# Altium PCB Proyecto_0 - V2.PcbDoc (part 1 of 6)
Units mil, origin at the board's own origin, x right, y up, seen from the top; angles counter-clockwise.
Board outline 2559.06 x 1771.65 mil, 10 copper layers (TOP, GND[1], VDD[1], Signal[1], GND[2], VDD[2], Signal[2], GND[3], VDD[3], BOT), stack 79.883 mil thick; 188 components, 257 nets, 1108 pads, 915 vias.
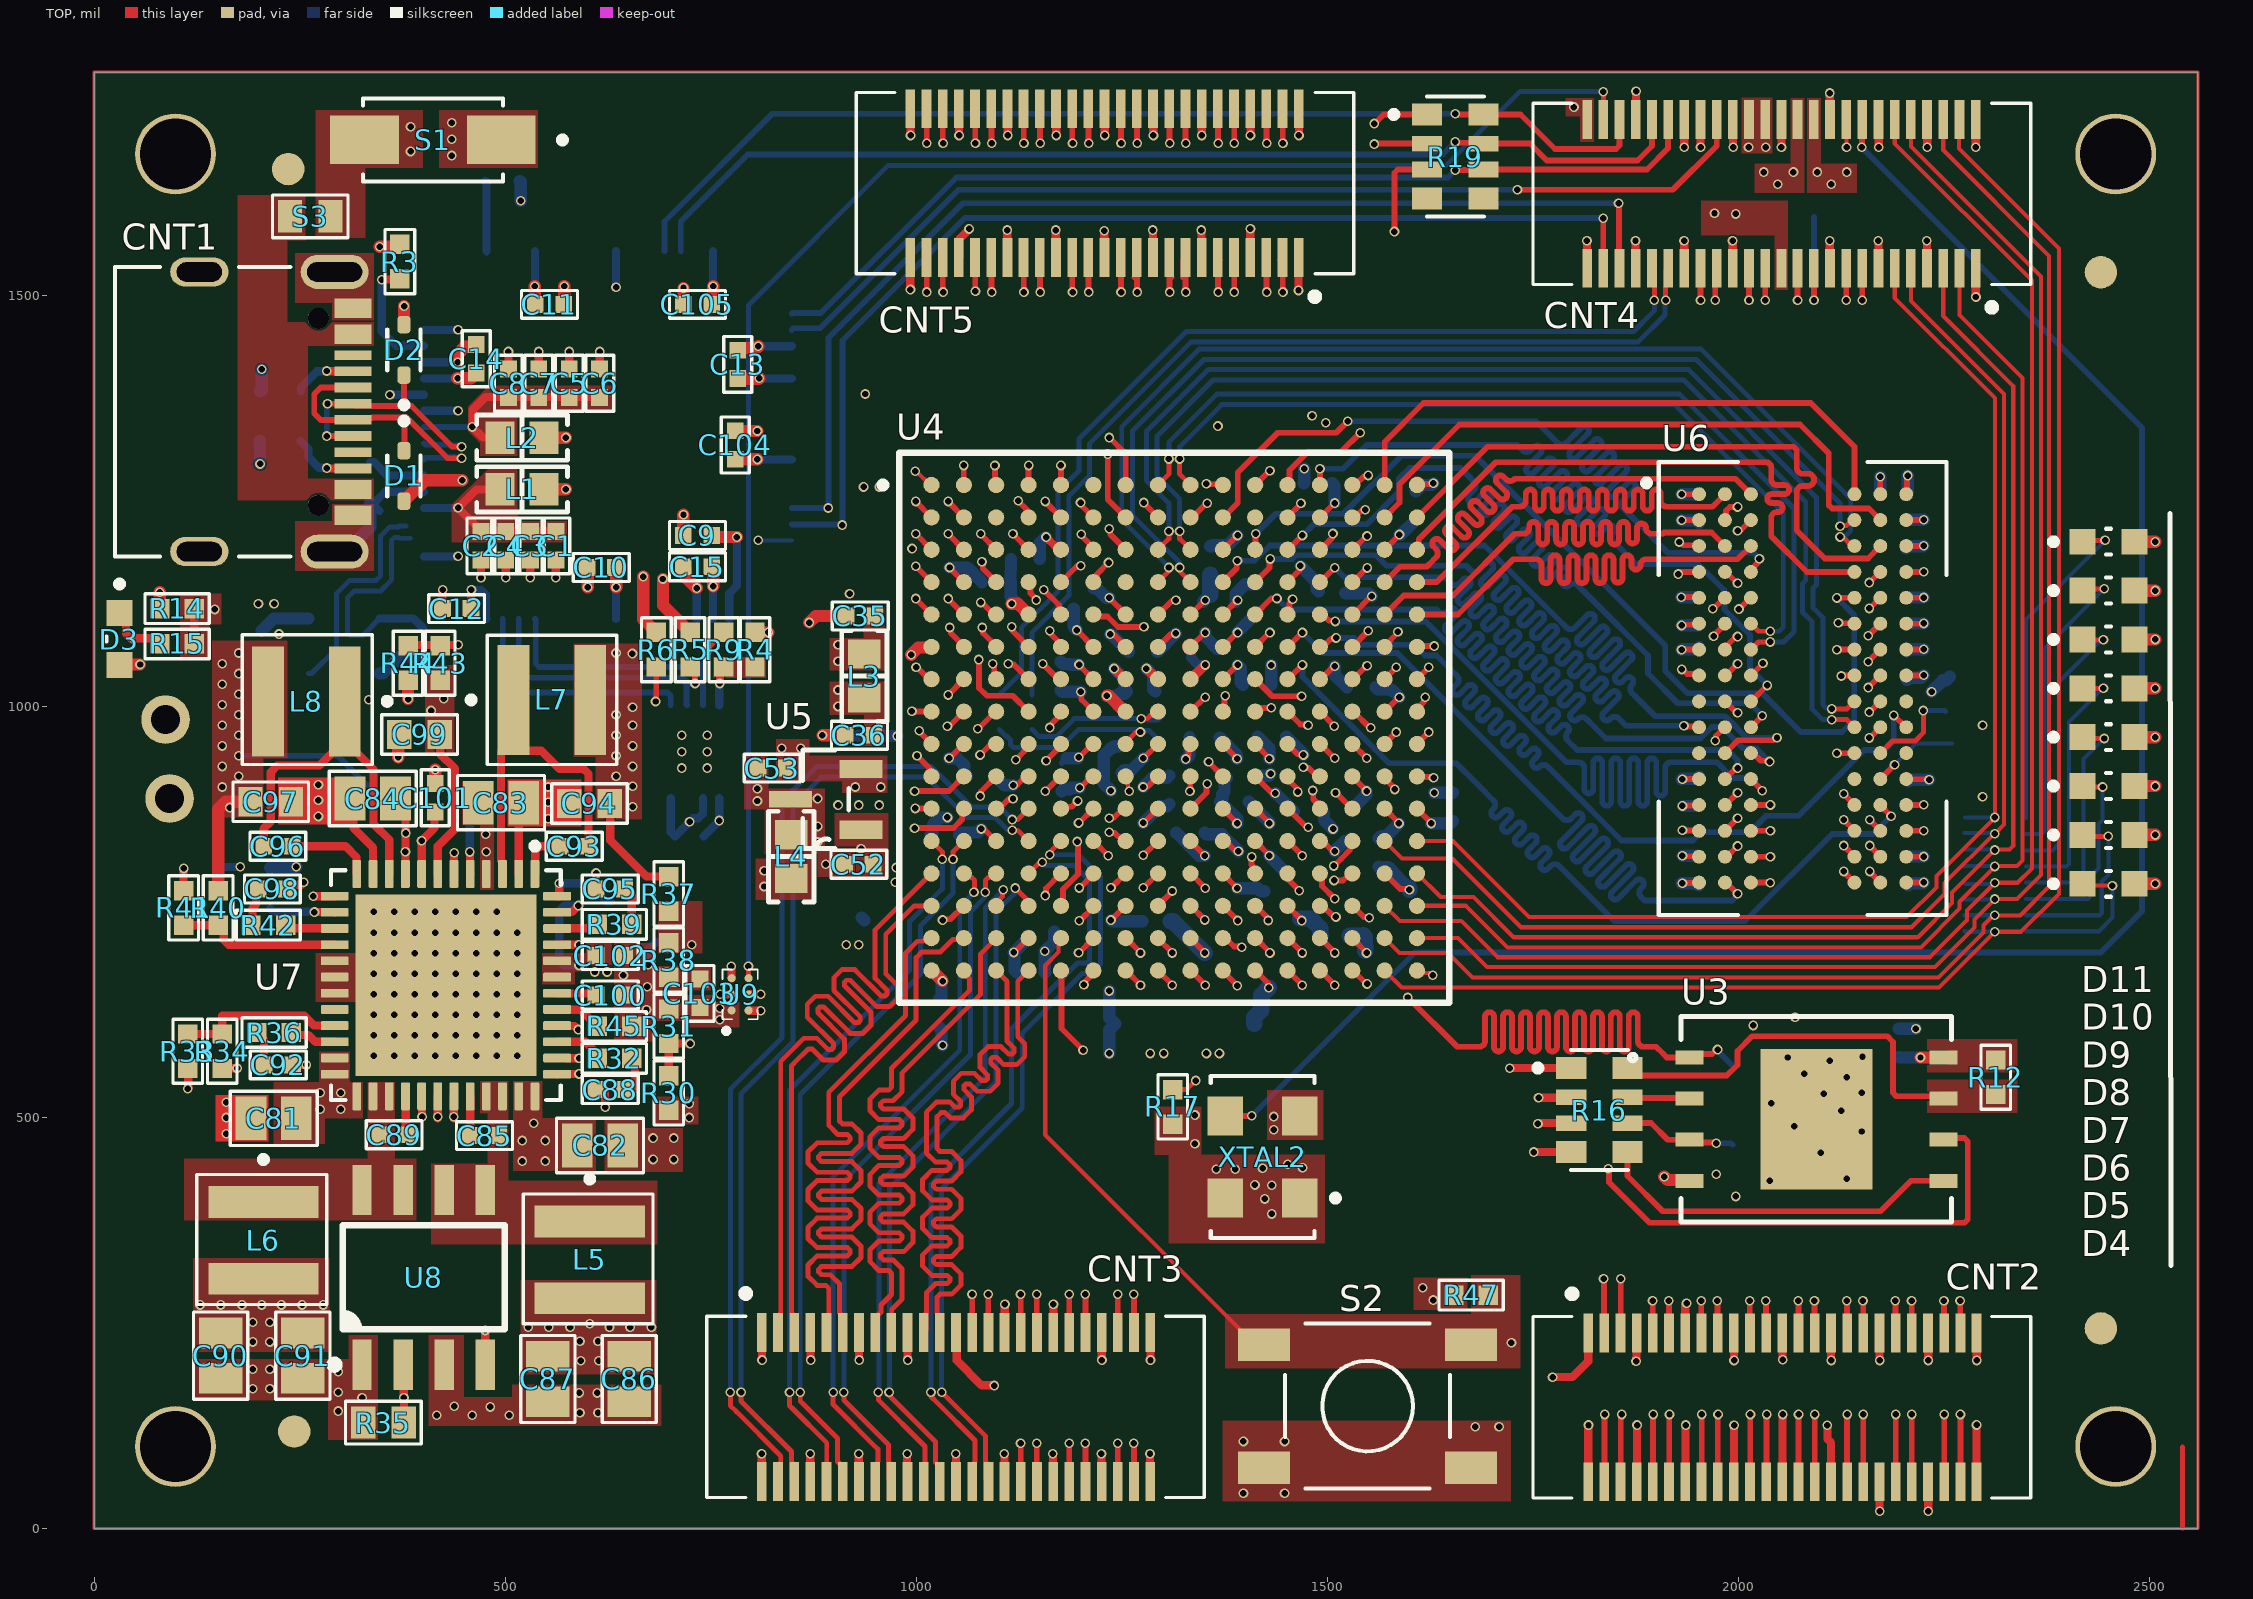
[diagram p0: TOP view]
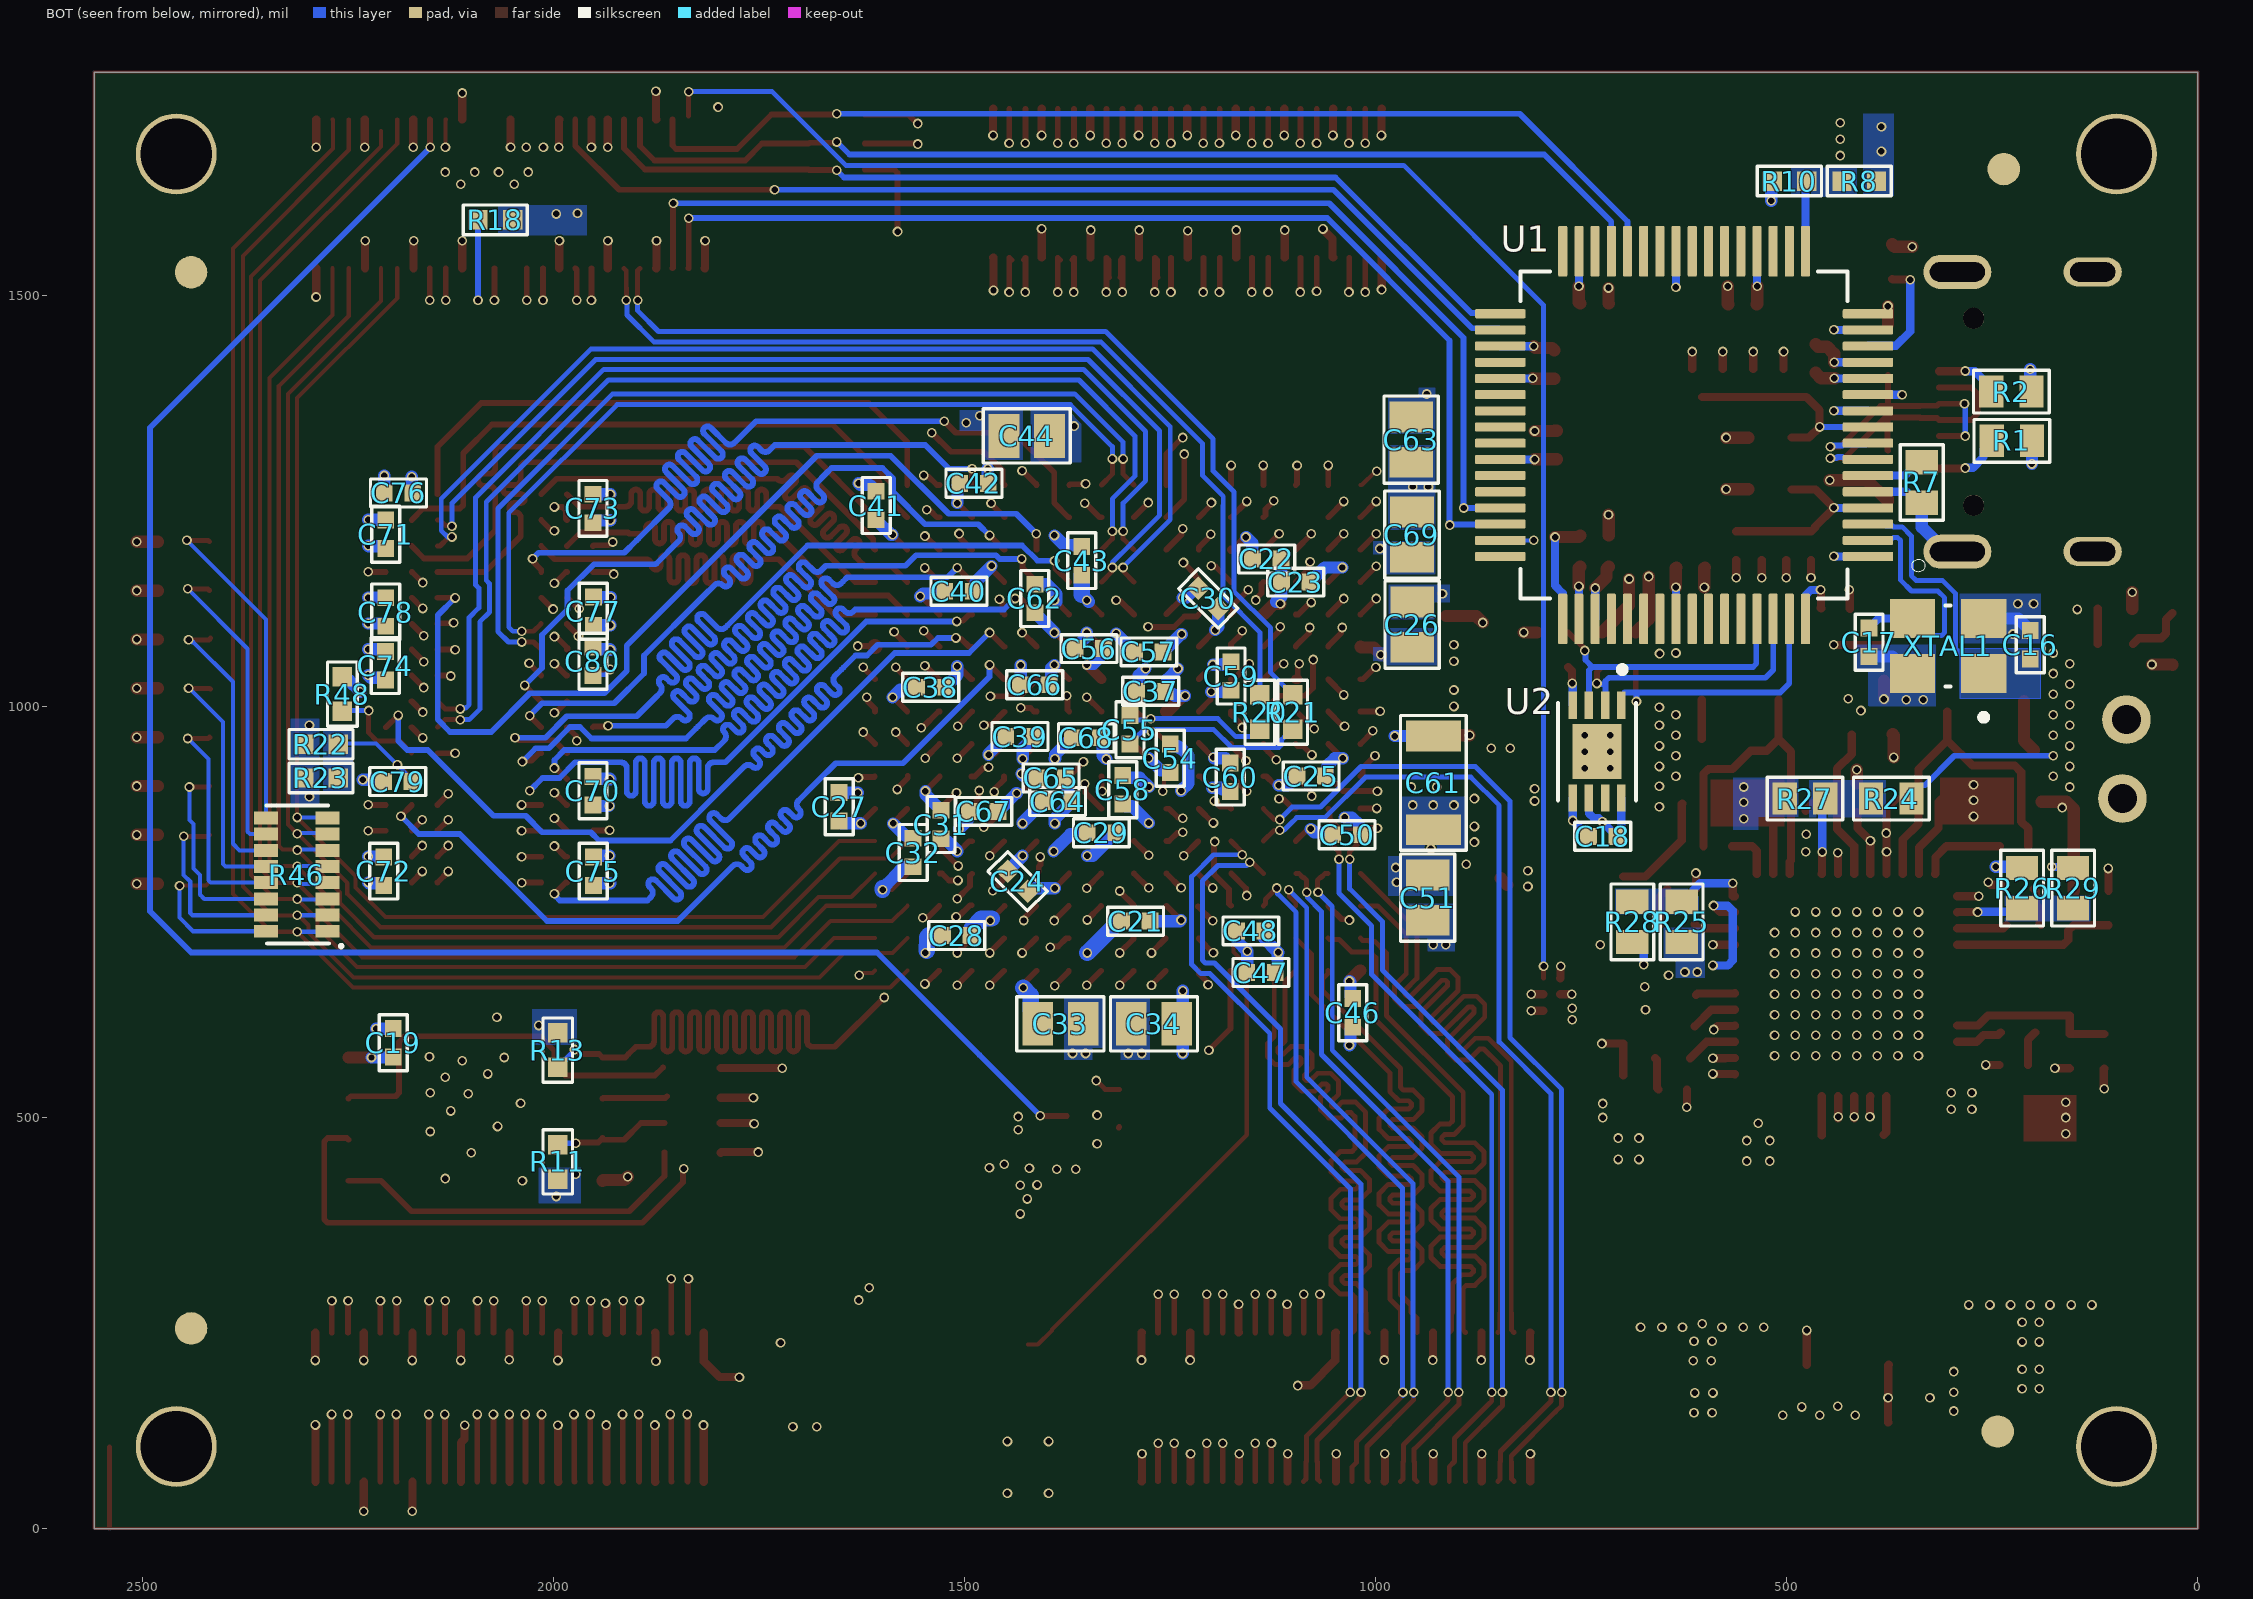
[diagram p1: BOT view, seen from below]
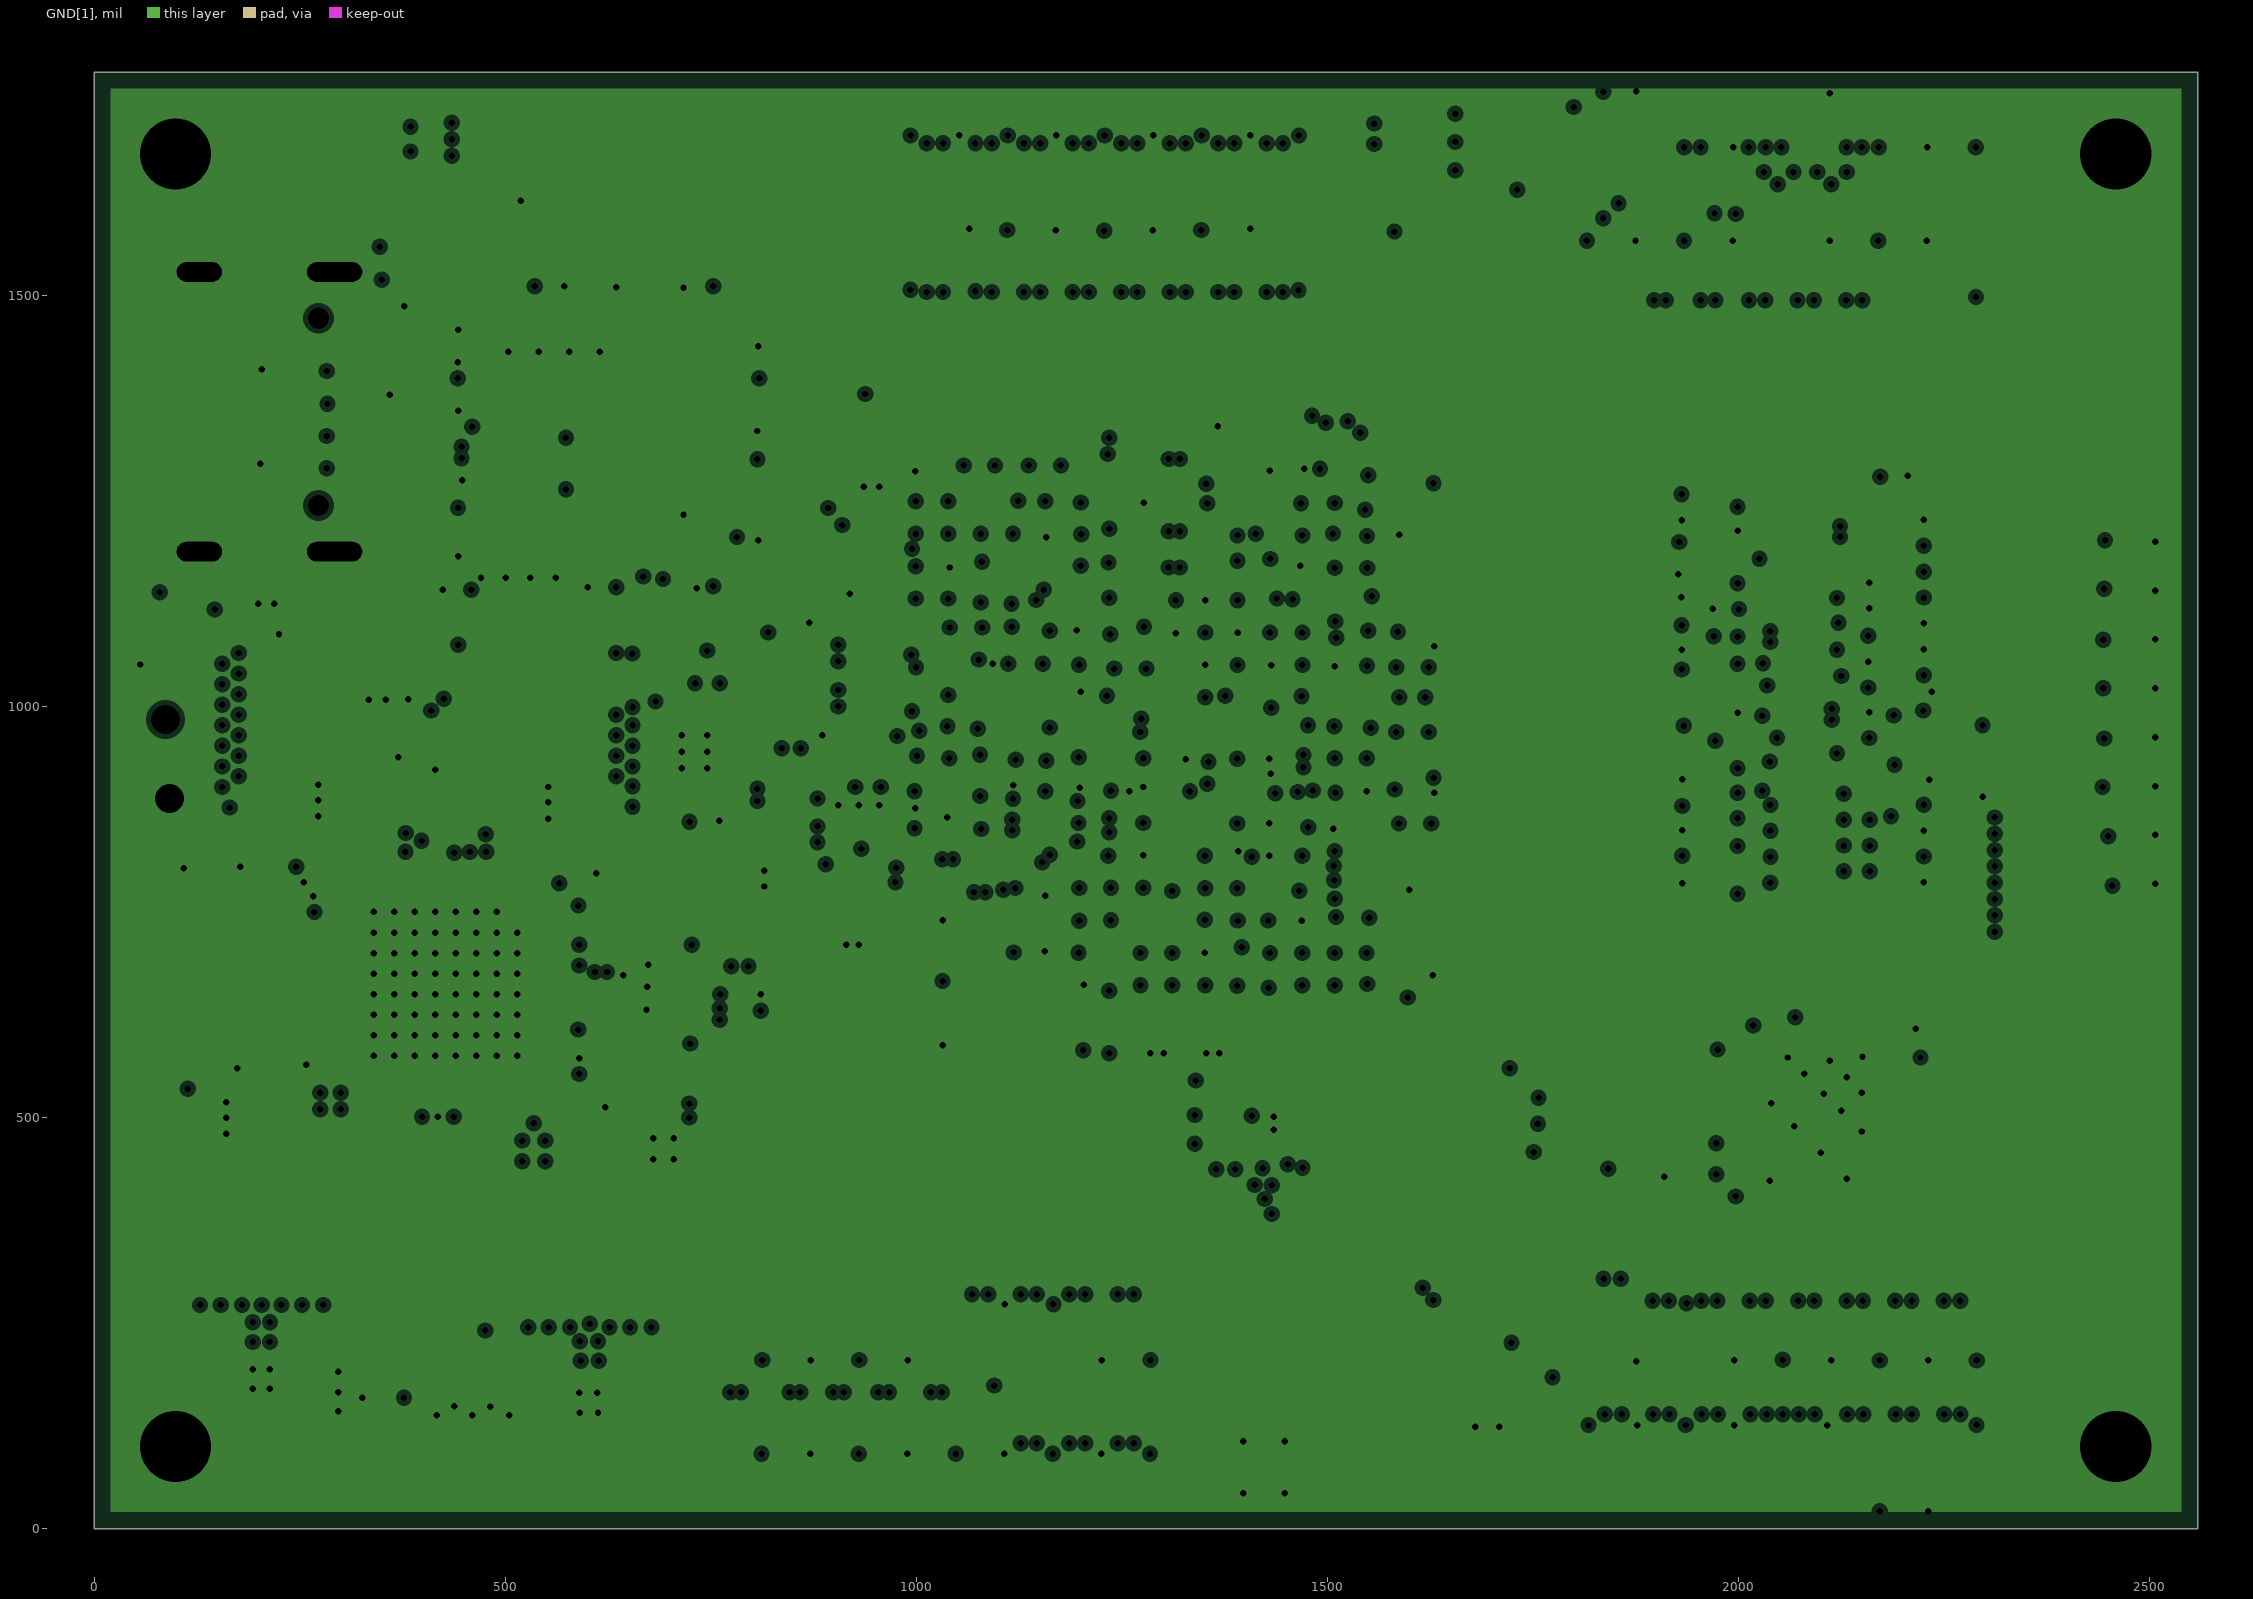
[diagram p2: GND[1], clearances drawn from the general rule]
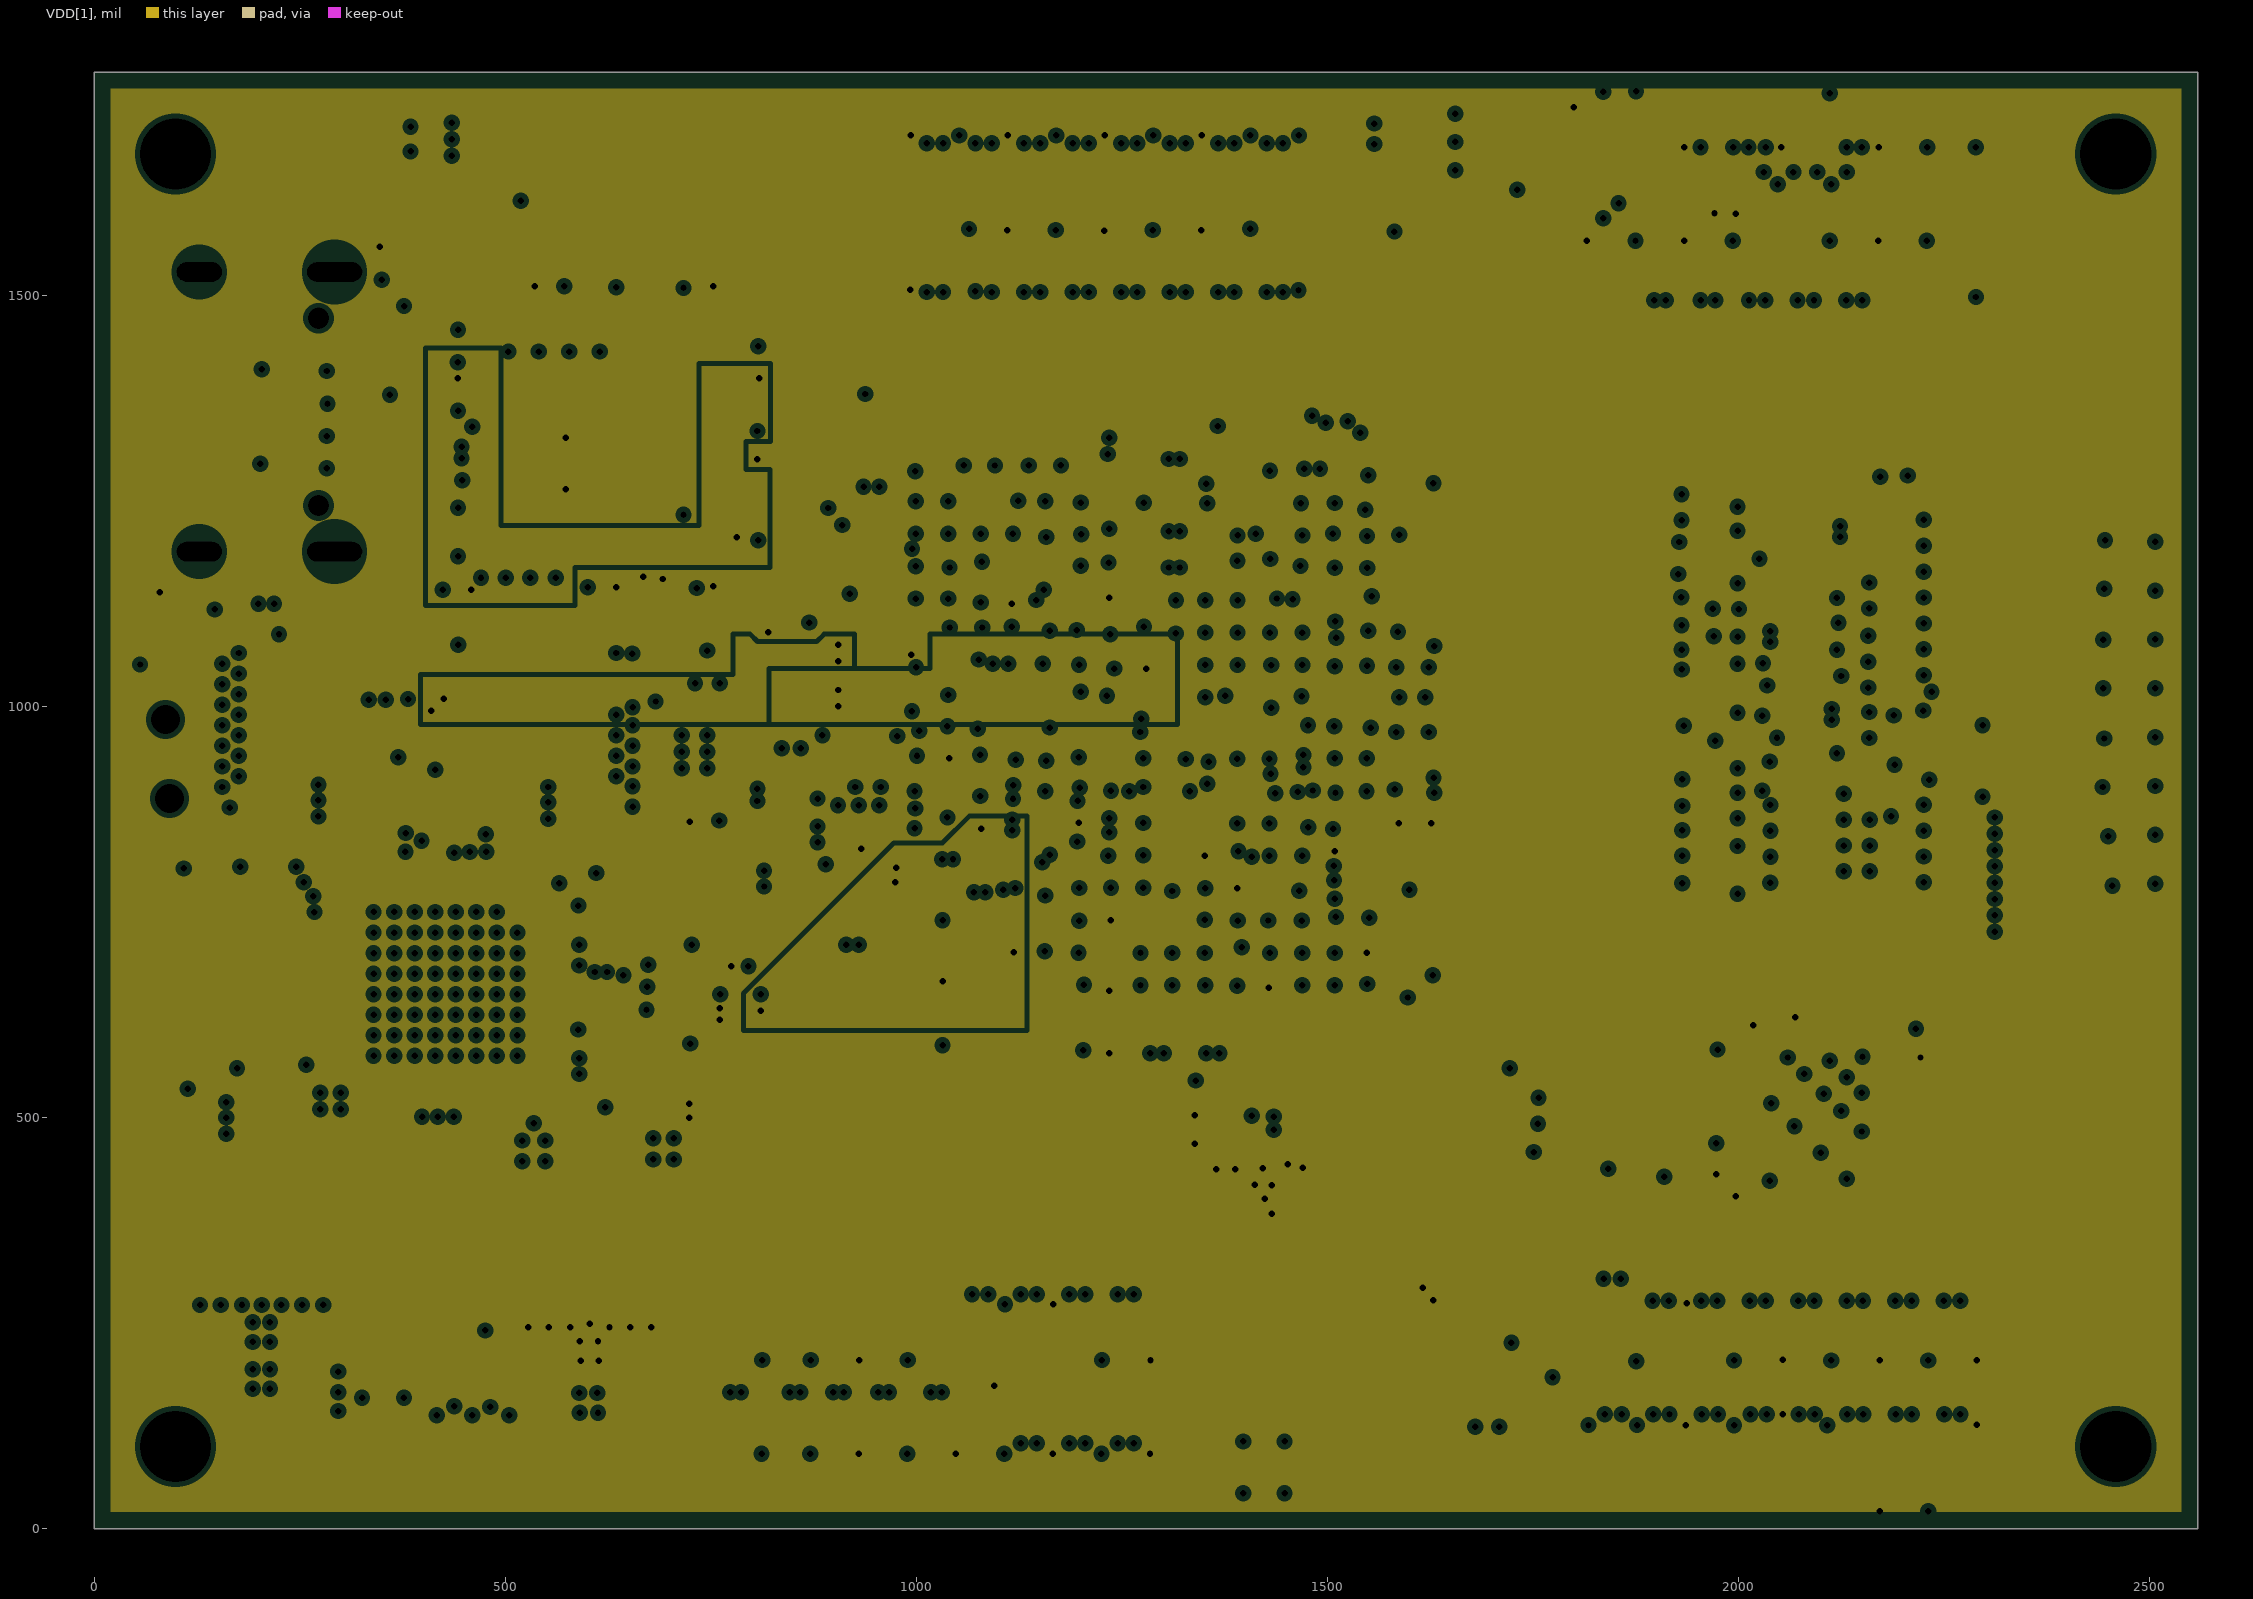
[diagram p3: VDD[1], clearances drawn from the general rule]